# Altium PCB ZUM_Core_2.0.PcbDoc (part 2 of 2) (continued)
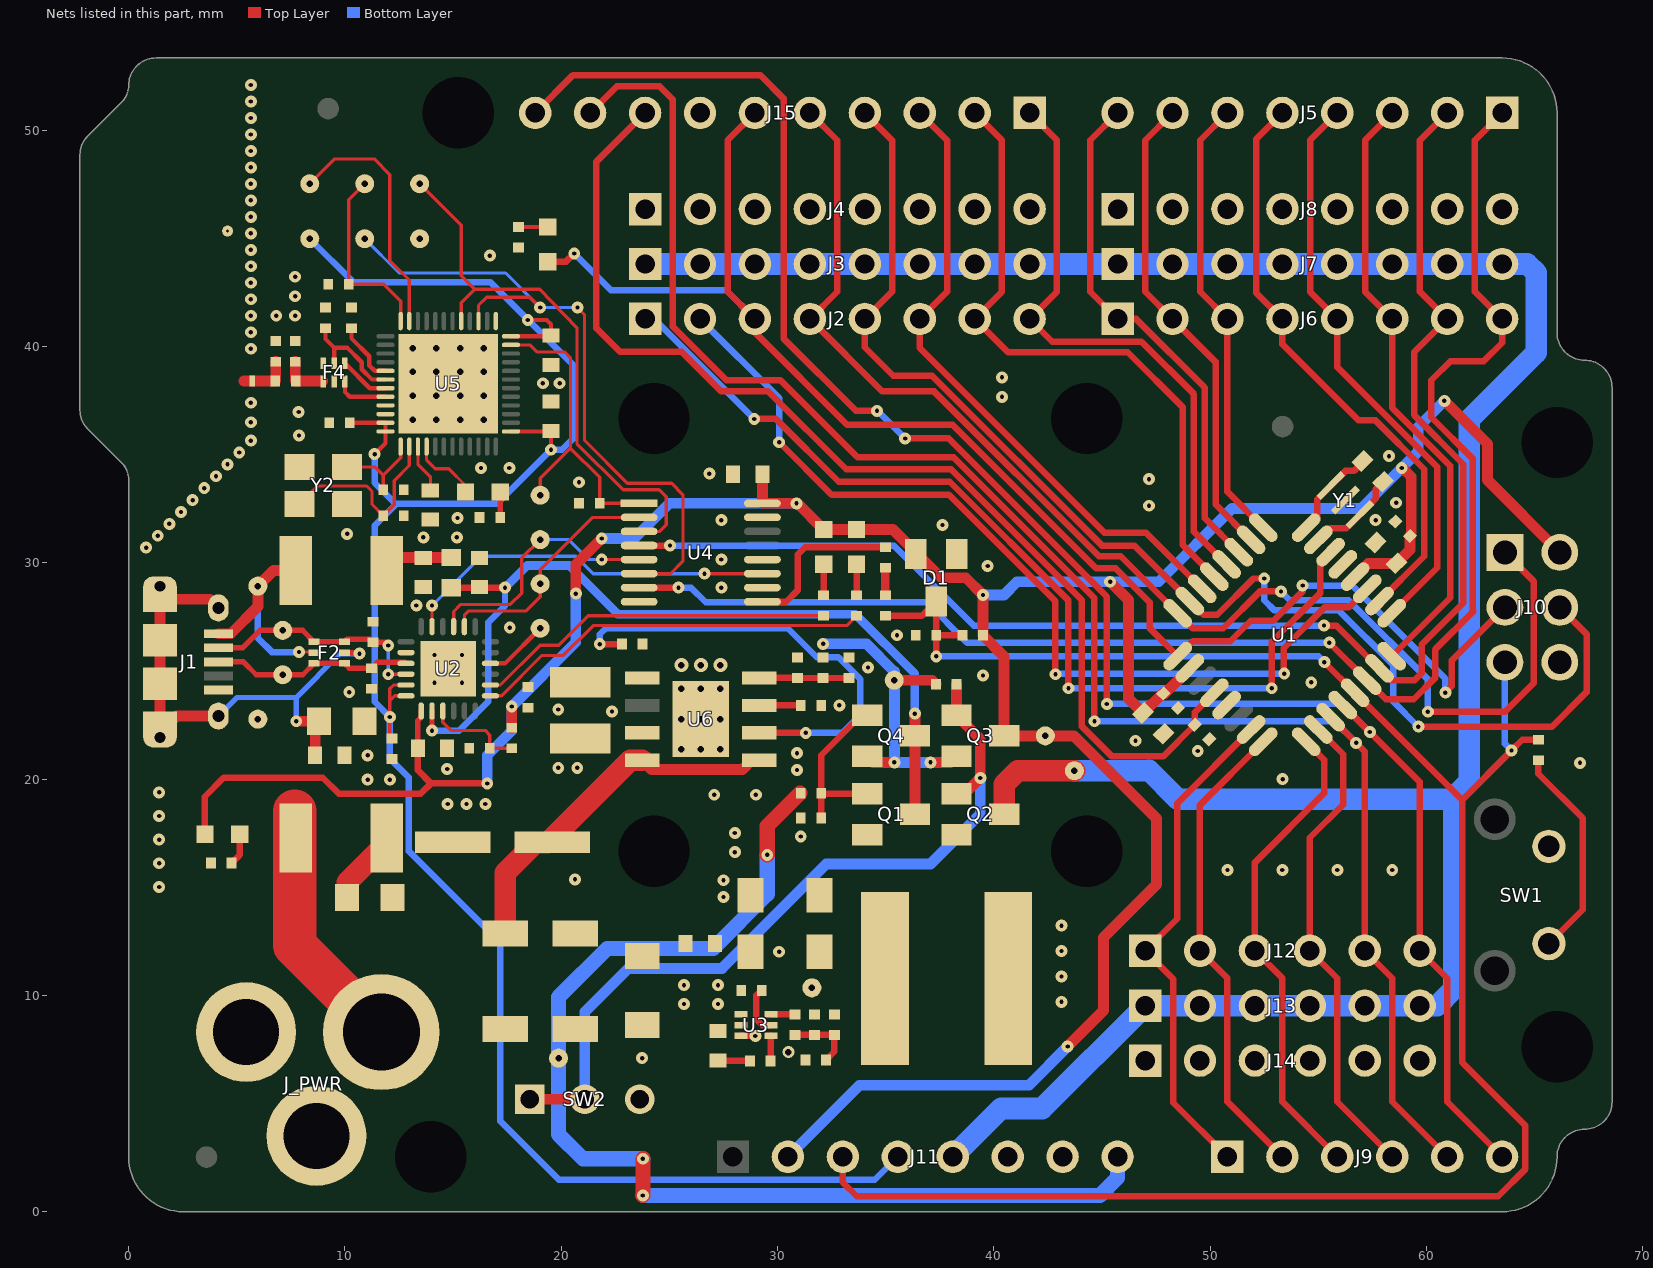
[diagram p2: the nets of this part, all layers, seen from the top]
## Nets (pads, with @x,y where several pads share a name; then routed paths per layer and width w, separated by ;. In a path a pad name is that pad's centre, name@x,y a point inside that pad or via, vN(x,y) a via of type N, cw(c..) or ccw(c..) an arc to the next point about the centre after c; other vN are vias at no path point)
3V3@100mA: C6.2 C21.2 C22.2 C23.2 J11.4 U2.5 U2.6 U5.1 U5.12 U5.35 U5.36 VCC.1 | length 95
  Top Layer w0.15: C6.2@12.175,21.875 12.075,21.975 v1(12.075,22.875) 12.075,23.625 ; U2.6@12.825,23.85 12.3,23.85 12.075,23.625 ; U2.5@12.825,24.35 12.25,24.35 12.075,24.175 12.075,23.625
  Top Layer w0.2: C23.2@10.225,36.475 U5.35@11.875,36.475 U5.36@11.875,36.075 11.875,35.525 v1(11.375,35.025) ; U5.1@17.675,36.075 19.525,36.075 v1(19.525,35.225) ; U5.12@17.675,40.475 19.5,40.475 C21.2@19.525,40.5 19.525,41.025 19.325,41.225 v1(18.45,41.225)
  Bottom Layer w0.3: VCC.1@8.375,44.985 10.38,42.98 16.72,42.98 20.575,39.125 20.575,35.775 20.025,35.225 v1(19.525,35.225) 17.04,32.74 12.33,32.74 ; v1(11.375,35.025) 11.375,33.695 12.33,32.74 ; J11.4@35.56,2.54 34.495,1.475 19.896,1.475 17.18,4.191 17.18,12.445 12.95,16.675 12.95,20.077 12.075,20.952 v1(12.075,22.875) 11.375,23.575 11.375,31.725 12.36,32.71 12.33,32.74
5V@3A: C27.2 C28.2 C34.2 L3.2 Q1.2 Q2.2 R9.1 TP8.1
5V@300mA: C29.1 C30.1 C33.2 Q3.2 Q4.2 R11.1 R14.1 R24.2 TP9.1 U6.1 | length 14.4
  Top Layer w0.5: Q4.2@34.15,21.05 34.425,20.775 v1(35.4,20.775) ; TP9.1@35.395,24.575 37.14,24.575 R14.1@37.325,24.39 ; v1(37.075,20.775) 38,20.775 Q3.2@38.275,21.05
  Bottom Layer w0.5: v1(32.106,26.255) 34.113,26.255 35.4,24.968 v1(35.4,20.775) v1(37.075,20.775) v1@37.075,20.755
+5V_USB: C8.2 L1.2 Q1.3 Q4.3 U2.8 | length 40.1
  Top Layer w0.25: v1(14.025,22.24) U2.8@14.025,23.15
  Top Layer w0.3: L1.2@14.925,28.85 v1(17.4,28.85)
  Top Layer w0.5: Q1.3@36.35,18.375 Q4.3@36.35,22 v1(36.35,23.025)
  Bottom Layer w0.3: v1(14.025,22.24) 15.274,22.24 16.635,23.602 16.635,27.251 17.4,28.016 v1(17.4,28.85)
  Bottom Layer w0.4: v1(17.4,28.85) 18.425,29.875 20.375,29.875 22.625,27.625 33.592,27.625 36.35,24.867 v1(36.35,23.025)
A0: J9.1 J12.1 U1.23 | length 23.4
  Top Layer w0.3: J9.1@50.8,2.54 48.3,5.04 48.3,10.755 J12.1@46.99,12.065 48.475,13.55 48.475,18.875 U1.23@51.892,22.292
A1: J9.2 J12.2 U1.24 | length 22
  Top Layer w0.3: U1.24@52.458,21.726 49.53,18.798 J12.2@49.53,12.065 50.8,10.795 50.8,5.08 J9.2@53.34,2.54
A2: J9.3 J12.3 U1.25 | length 22.4
  Top Layer w0.3: U1.25@54.438,21.726 55.266,20.899 55.266,19.341 52.07,16.145 J12.3@52.07,12.065 53.34,10.795 53.34,5.08 J9.3@55.88,2.54
A3: J9.4 J12.4 U1.26 | length 22.4
  Top Layer w0.3: U1.26@55.004,22.292 56.15,21.146 56.15,18.825 54.61,17.285 J12.4@54.61,12.065 55.88,10.795 55.88,5.08 J9.4@58.42,2.54
A4: J9.5 J12.5 J15.9 U1.27 | length 80.5
  Top Layer w0.3: J15.9@21.336,50.8 22.561,52.025 24.55,52.025 25.15,51.425 25.15,40.925 27.625,38.45 30.125,38.45 33.7,34.875 38.137,34.875 44.65,28.362 v1@44.65,22.7 ; U1.27@55.569,22.858 v1(56.75,21.677) 57.15,21.277 J12.5@57.15,12.065 58.42,10.795 58.42,5.08 J9.5@60.96,2.54
  Bottom Layer w0.3: v1@44.675,22.675 55.752,22.675 v1(56.75,21.677)
  other v1: 44.65,22.675
A5: J9.6 J12.6 J15.10 U1.28 | length 85.2
  Top Layer w0.3: J15.10@18.796,50.8 20.546,52.55 29.2,52.55 30.28,51.47 30.28,40.37 33.625,37.025 v1(34.6,37.025) ; v1(35.9,35.75) 37.913,35.75 45.225,28.438 v1(45.225,23.475) ; U1.28@56.135,23.423 v1(57.383,22.175) 59.69,19.868 J12.6@59.69,12.065 60.96,10.795 60.96,5.08 J9.6@63.5,2.54
  Bottom Layer w0.3: v1@34.625,37.025 v1(35.9,35.75) ; v1(45.225,23.475) 56.083,23.475 v1(57.383,22.175)
AREF: C5.2 J15.8 U1.20 | length 52.6
  Top Layer w0.3: J15.8@23.876,50.8 21.625,48.549 21.625,40.85 22.725,39.75 25.575,39.75 27.4,37.925 29.575,37.925 33.175,34.325 38.023,34.325 44.075,28.273 44.075,22.437 45.462,21.05 47.828,21.05 C5.2@49.289,22.511 49.289,23.083 U1.20@50.195,23.989
BT_RX: P0.11.1 U4.3 U5.17 | length 26.3
  Top Layer w0.15: P0.11.1@13.455,47.525 15.375,45.605 15.375,43.275 16,42.65 ; U5.17@15.375,41.175 15.375,42.025 16,42.65 ; U4.3@23.6,31.45 24.55,31.45 24.85,31.75 24.85,33.05 24.525,33.375 22.863,33.375 20.725,35.513 20.725,40.875 19.003,42.65 16,42.65
BT_SWDCLK: R26.2 SWDCLK.1 U5.24 | length 8.6
  Top Layer w0.15: SWDCLK.1@10.915,47.525 10.175,46.785 R26.2@10.175,42.875 11.8,42.875 12.575,42.1 U5.24@12.575,41.175
BT_SWDIO: SWDIO.1 U5.23 | length 11.6
  Top Layer w0.15: SWDIO.1@8.375,47.525 9.525,48.675 11.35,48.675 12.075,47.95 12.075,43.975 12.975,43.075 U5.23@12.975,41.175
BT_TX: P0.09.1 U4.6 U5.15 | length 32.3
  Top Layer w0.15: U5.15@16.175,41.175 16.175,41.9 16.55,42.275 18.55,42.275 v1(19.025,41.8) ; v1(20.75,41.8) 21.075,41.475 21.075,35.658 23.058,33.675 25.1,33.675 25.625,33.15 25.625,30.075 25.05,29.5 U4.6@23.6,29.5
  Bottom Layer w0.15: P0.09.1@10.915,44.985 12.5,43.4 17.425,43.4 v1(19.025,41.8) v1(20.75,41.8)
D0: J5.1 J6.8 U1.30 U4.7 | length 70.3
  Top Layer w0.3: U4.7@23.6,28.85 v1(25.425,28.85) ; v1(55.511,26.311) U1.30@57.266,24.555 58.128,23.693 59.418,23.693 60.4,24.675 60.4,25.992 62.158,27.75 62.15,27.758 62.15,34.8 60.225,36.725 60.225,38.435 61.11,39.32 62.64,39.32 63.5,40.18 J6.8@63.5,41.275 62.24,42.535 62.24,49.54 J5.1@63.5,50.8
  Bottom Layer w0.3: v1(25.425,28.85) 26,28.85 26.675,28.175 36.9,28.175 38.764,26.311 v1(55.511,26.311)
D1: J5.2 J6.7 U1.31 U4.4 | length 68.2
  Top Layer w0.3: U4.4@23.6,30.8 v1(25.025,30.8) ; v1(55.264,27.1) 55.825,27.1 58.353,24.572 59.449,24.572 59.775,24.899 59.775,26.215 61.7,28.14 61.7,34.56 59.425,36.835 59.425,39.74 J6.7@60.96,41.275 59.7,42.535 59.7,49.54 J5.2@60.96,50.8
  Bottom Layer w0.3: v1(25.025,30.8) 35.375,30.8 39.075,27.1 v1(55.264,27.1)
D2: J5.3 J6.6 U1.32 | length 28.4
  Top Layer w0.3: U1.32@58.398,25.686 61.1,28.389 61.1,34.48 58.42,37.16 J6.6@58.42,41.275 57.16,42.535 57.16,49.54 J5.3@58.42,50.8
D3: J5.4 J6.5 U1.1 | length 27
  Top Layer w0.3: J5.4@55.88,50.8 54.62,49.54 54.62,42.535 J6.5@55.88,41.275 55.88,39.05 60.5,34.43 60.5,29.768 U1.1@58.398,27.666
D4: J5.5 J6.4 U1.2 | length 27.6
  Top Layer w0.3: J5.5@53.34,50.8 52.125,49.585 52.125,42.49 J6.4@53.34,41.275 53.34,40.11 56.87,36.58 57.65,36.58 59.9,34.33 59.9,30.3 U1.2@57.832,28.232
D5: J5.6 J6.3 U1.9 | length 20.9
  Top Layer w0.3: J5.6@50.8,50.8 49.54,49.54 49.54,42.535 J6.3@50.8,41.275 50.8,33.284 U1.9@52.458,31.626
D6: J5.7 J6.2 U1.10 | length 22.3
  Top Layer w0.3: J5.7@48.26,50.8 47,49.54 47,42.535 J6.2@48.26,41.275 50.25,39.285 50.25,32.702 U1.10@51.892,31.06
D7: J5.8 J6.1 U1.11 | length 24.2
  Top Layer w0.3: J5.8@45.72,50.8 44.46,49.54 44.46,42.535 J6.1@45.72,41.275 46.575,41.275 49.75,38.1 49.75,32.071 U1.11@51.327,30.495
D8: J2.8 J15.1 U1.12 | length 28.1
  Top Layer w0.3: J15.1@41.656,50.8 42.916,49.54 42.916,42.535 J2.8@41.656,41.275 42.706,40.225 46.825,40.225 49.25,37.8 49.25,31.44 U1.12@50.761,29.929
D9: J2.7 J15.2 U1.13 | length 30.3
  Top Layer w0.3: J15.2@39.116,50.8 40.376,49.54 40.376,42.535 J2.7@39.116,41.275 40.656,39.735 46.19,39.735 48.725,37.2 48.725,30.833 U1.13@50.195,29.363
D10: J2.6 J15.3 U1.14 | length 29.6
  Top Layer w0.3: J15.3@36.576,50.8 37.836,49.54 37.836,42.535 J2.6@36.576,41.275 36.576,39.934 45.11,31.4 47.027,31.4 U1.14@49.63,28.797
D11: J2.5 J10.4 J15.4 U1.15 | length 60.6
  Top Layer w0.3: J15.4@34.036,50.8 35.296,49.54 35.296,42.535 J2.5@34.036,41.275 34.036,39.964 35.35,38.65 37.146,38.65 44.995,30.8 46.496,30.8 U1.15@49.064,28.232 49.696,27.6 50.325,27.6 52,29.275 v1(52.5,29.275) ; v1(59.625,22.425) 65.8,22.425 67.4,24.025 67.4,26.707 J10.4@66.167,27.94
  Bottom Layer w0.3: v1(52.5,29.275) 52.5,28.275 52.975,27.8 55.95,27.8 58.475,25.275 58.475,23.575 v1(59.625,22.425)
D12: J2.4 J10.1 J15.5 U1.16 | length 61
  Top Layer w0.3: J15.5@31.496,50.8 32.756,49.54 32.756,42.535 J2.4@31.496,41.275 34.846,37.925 37.234,37.925 44.859,30.3 45.864,30.3 U1.16@48.498,27.666 49.189,26.975 50.6,26.975 52.3,28.675 v1(53.275,28.675) ; v1(60.066,23.116) 63.633,23.116 64.95,24.433 64.95,29.157 J10.1@63.627,30.48
  Bottom Layer w0.3: v1(53.275,28.675) 53.675,28.275 56.4,28.275 60.066,24.609 v1(60.066,23.116)
D13: D4.A J2.3 J10.3 J15.6 U1.17 | length 70
  Top Layer w0.3: D4.A@19.375,43.925 20.225,43.925 v1(20.6,44.3) ; J15.6@28.956,50.8 27.7,49.544 27.7,42.531 J2.3@28.956,41.275 28.956,40.644 33.225,36.375 38.102,36.375 44.727,29.75 45.625,29.75 47.2,28.175 47.2,26.984 U1.17@48.498,25.686 49.187,26.375 50.925,26.375 51.875,27.325 52.925,27.325 54.275,28.675 v1(54.275,28.95) ; v1(60.875,24) 61.175,24.3 61.175,25.488 J10.3@63.627,27.94
  Bottom Layer w0.3: v1(20.6,44.3) 22.3,42.6 27.631,42.6 J2.3@28.956,41.275 ; v1(54.275,28.95) 56.575,28.95 60.875,24.65 v1(60.875,24)
D22: J2.2 U1.3 | length 43.1
  Top Layer w0.3: v1(30.075,35.575) 32.5,33.15 37.925,33.15 42.85,28.225 v1(42.85,24.85) ; v1@53.4,24.9 53.4,26.05 55.306,27.956 55.782,27.956 55.788,27.95 56.419,27.95 U1.3@57.266,28.797
  Bottom Layer w0.3: J2.2@26.416,41.275 30.075,37.616 v1(30.075,35.575) ; v1@42.875,24.875 v1(53.425,24.875)
D23: J2.1 U1.6 | length 45.8
  Top Layer w0.3: v1(28.925,36.65) 29.925,36.65 32.825,33.75 37.962,33.75 43.45,28.262 v1(43.45,24.2) ; v1(52.85,24.2) 52.85,26.35 55.1,28.6 55.1,30.025 U1.6@55.569,30.495
  Bottom Layer w0.3: J2.1@23.876,41.275 24.3,41.275 v1(28.925,36.65) ; v1(43.45,24.2) v1(52.85,24.2)
GND: AE1.FEED_2 C1.1 C2.1 C3.1 C4.1 C5.1 C6.1 C7.1 C8.1 C9.1 C10.1 C11.1 C12.1 C13.2 C16.1 C17.1 C18.1 C19.1 C20.1 C21.1 C22.1 C23.1 C24.2 C25.2 C26.1 C27.1 C28.1 C30.2 C31.2 C32.1 C33.1 D1.1 F4.2 F4.6 GND.1 J1.5 J4.1 J4.2 J4.3 J4.4 J4.5 J4.6 J4.7 J4.8 J8.1 J8.2 J8.3 J8.4 J8.5 J8.6 J8.7 J8.8 J10.6 J11.6 J11.7 J14.1 J14.2 J14.3 J14.4 J14.5 J14.6 J15.7 J_PWR.2 J_PWR.3 R7.1 R8.1 R16.1 R17.2 R18.1 R19.2 R22.2 R23.2 R25.2 R26.1 SW1.1 SW2.3 TP4.1 U1.5 U1.21 U2.2 U2.25 U3.3 U4.8 U4.10 U4.12 U4.15 U5.13 U5.33 U5.34 U5.49 U6.3 U6.9 Y1.2 Y2.2 Y2.4 Zp1.1 Zp2.1 | length 0.7
  Top Layer w0.3: U3.3@28.3,8.125 v1(28.975,8.125)
  other v1: 23.74,7.1 43.125,9.7 43.125,10.875 30.075,12.019 43.125,12.05 43.125,13.225 27.5,14.55 1.41,15.015 27.5,15.325 20.64,15.365 50.8,15.8 53.34,15.8 55.88,15.8 58.42,15.8 1.41,16.109 28.025,16.625 1.41,17.203 31.075,17.35 28.025,17.508 1.41,18.296 14.75,18.85 15.62,18.85 16.49,18.85 27.075,19.275 29,19.275 1.41,19.39 11.05,19.975 12.075,19.975 53.35,20 30.9,20.425 14.725,20.466 19.86,20.52 20.74,20.52 67.1,20.75 11.05,21.1 30.9,21.2 49.425,21.303 46.55,21.775 22.35,23.13 19.86,23.22 32.86,23.41 10.2,24.02 14.138,24.462 15.413,24.463 54.675,24.475 39.496,24.794 34.18,25.16 14.138,25.737 15.412,25.737 35.527,26.65 17.62,27.002 13.3,28.025 27.4,28.85 39.711,29.849 27.4,30.15 0.808,30.7 13.625,31.175 15.175,31.175 1.346,31.25 10.1,31.34 37.625,31.75 1.884,31.8 27.4,31.975 57.65,31.975 15.2,32.075 2.422,32.35 47.17,32.64 58.6,32.775 2.96,32.9 3.498,33.45 20.825,33.725 47.17,33.87 4.036,34 26.85,34.125 16.29,34.38 17.6,34.38 4.574,34.55 58.27,34.93 5.112,35.1 5.65,35.65 7.88,35.89 5.65,36.498 7.86,36.97 5.65,37.398 40.375,37.675 19.15,38.3 19.925,38.3 40.375,38.575 5.65,39.899 5.65,40.661 5.65,41.423 6.825,41.423 7.7,41.423 5.65,42.185 7.7,42.324 5.65,42.947 7.7,43.225 5.65,43.709 16.7,44.2 5.65,44.471 5.65,45.233 5.65,45.995 5.65,46.757 5.65,47.519 5.65,48.281 5.65,49.043 5.65,49.805 5.65,50.567 5.65,51.329 5.65,52.091
  other v2: 25.553,21.375 26.453,21.375 27.353,21.375 25.553,22.775 26.453,22.775 27.353,22.775 25.553,24.175 26.453,24.175 27.353,24.175 25.553,25.275 26.453,25.275 27.353,25.275 13.125,36.625 14.225,36.625 15.325,36.625 16.425,36.625 13.125,37.725 14.225,37.725 15.325,37.725 16.425,37.725 13.125,38.825 14.225,38.825 15.325,38.825 16.425,38.825 13.125,39.925 14.225,39.925 15.325,39.925 16.425,39.925
  other v3: 30.5,7.375
M\C\U\_\R\E\S\: C14.1 D1.3 J10.5 J11.3 R10.2 R12.2 R19.1 U1.29 | length 94
  Top Layer w0.3: J11.3@33.02,2.54 33.02,1.355 33.66,0.715 63.315,0.715 64.575,1.975 64.575,3.975 61.65,6.9 61.65,19.04 ; C14.1@34.984,27.55 36.676,27.55 D1.3@37.336,28.21 R19.1@37.336,26.714 ; v1(37.336,25.675) R19.1@37.336,26.65 ; R19.1@37.4,26.65 R10.2@38.546,26.65 ; v1(55.281,25.408) U1.29@56.701,23.989 61.65,19.04 ; R12.2@65.175,21.825 64.435,21.825 v1(63.935,21.325) 61.65,19.04
  Bottom Layer w0.3: v1(37.336,25.675) 55.015,25.675 v1(55.281,25.408) ; J10.5@63.627,25.4 63.627,21.633 v1(63.935,21.325)
NetAE1_FEED_1: AE1.FEED_1 Zp2.2 Zs.2 | length 2.4
  Top Layer w0.5: 5.34,38.404 AE1.FEED_1@5.717,38.404 6.771,38.404 Zs.2@6.775,38.4 6.775,38.45 6.8,38.425 Zp2.2@6.8,39.3
NetC7_2: C7.2 F3.2 L1.1 | length 3.4
  Top Layer w0.5: F3.2@11.85,29.525 12.575,30.25 L1.1@14.925,30.25
NetC14_2: C14.2 R20.1 | length 1.3
  Top Layer w0.4: C14.2@34.984,28.5 R20.1@34.984,29.775
NetC15_1: C15.1 L3.1 U3.2
NetC15_2: C15.2 R3.2 | length 1.5
  Top Layer w0.3: C15.2@27.25,6.975 R3.2@28.725,6.975
NetC19_2: C19.2 U5.29 | length 2.9
  Top Layer w0.2: C19.2@10.3,40.85 10.3,40.375 11.125,39.55 11.125,39.125 11.375,38.875 U5.29@11.875,38.875
NetC20_2: C20.2 U5.39 | length 2.3
  Top Layer w0.15: U5.39@13.375,35.375 13.375,34.55 13.95,33.975 C20.2@13.95,33.35
NetC24_1: C24.1 U5.37 Y2.1 | length 4.2
  Top Layer w0.15: Y2.1@10.1,34.425 11.4,34.425 11.775,34.05 ; C24.1@11.775,33.375 11.775,34.05 ; U5.37@12.575,35.375 12.575,34.85 11.775,34.05
NetC25_1: C25.1 U5.38 Y2.3 | length 8.8
  Top Layer w0.15: Y2.3@7.9,32.725 8.725,33.55 11,33.55 11.25,33.3 11.25,32.7 C25.1@11.775,32.175 12.275,32.675 12.275,33.8 12.975,34.5 U5.38@12.975,35.375
NetC29_2: C29.2 R24.1 R25.1 U6.8 | length 4.1
  Top Layer w0.3: U6.8@29.153,24.68 30.92,24.68 C29.2@30.925,24.675 R24.1@32.1,24.675 R25.1@33.3,24.675
NetC31_1: C31.1 D2.K U6.4 U6.5 | length 17.1
  Top Layer w0.5: U6.4@23.753,20.87 24.173,20.45 28.375,20.45 28.795,20.87 U6.5@29.153,20.87
  Top Layer w1: D2.K@17.415,12.855 17.415,15.675 18.8,17.06 19.38,17.06 23.19,20.87 U6.4@23.753,20.87
NetC32_2: C32.2 U6.7 | length 1.9
  Top Layer w0.3: U6.7@29.153,23.41 C32.2@31.075,23.41
NetC34_1: C34.1 R9.2 R13.2 R17.1 | length 3.2
  Top Layer w0.3: R13.2@30.801,8.175 32.628,8.175 C34.1@32.628,8.169 32.628,7.393 R17.1@32.243,7.008
NetD3_K: D3.K R18.2 | length 1.5
  Top Layer w0.3: R18.2@4.753,16.118 5.132,16.497 D3.K@5.132,17.448
NetD4_K: D4.K R8.2 | length 1.3
  Top Layer w0.2: R8.2@18.025,45.525 D4.K@19.375,45.525
NetF1_2: F1.2 L2.1 | length 3.5
  Top Layer w1: L2.1@10.1,14.52 10.1,15.24 11.925,17.065 F1.2@11.925,17.28
NetF4_1: F4.1 Zp1.2 Zs.1 | length 2.2
  Top Layer w0.5: Zp1.2@7.7,39.3 7.7,38.425 Zs.1@7.725,38.4 F4.1@8.974,38.4
NetF4_3: F4.3 U5.32 | length 2.4
  Top Layer w0.2: F4.3@10,38.375 10,37.9 10.225,37.675 U5.32@11.875,37.675
NetF4_4: F4.4 U5.31 | length 2.4
  Top Layer w0.2: F4.4@10,39.225 11.15,38.075 U5.31@11.875,38.075
NetLD4_A: LD4.A U5.40 | length 3.2
  Top Layer w0.15: U5.40@13.775,35.375 13.775,34.75 14.175,34.35 14.8,34.35 15.575,33.575 LD4.A@15.575,33.275
NetLD4_K: LD4.K R23.1 | length 1.2
  Top Layer w0.25: R23.1@17.175,32.1 LD4.K@17.175,33.275
NetQ1_1: Q1.1 Q4.1 R15.1 R16.2 | length 7.9
  Top Layer w0.3: R16.2@32.025,18.2 R15.1@32.025,19.35 ; Q1.1@34.15,19.325 32.05,19.325 R15.1@32.025,19.35 ; Q4.1@34.15,22.95 33.875,22.95 32.025,21.1 R15.1@32.025,19.35
NetQ2_1: Q2.1 Q3.1 R14.2 SW2.1 SW2.2 | length 36.5
  Top Layer w0.5: SW2.1@18.55,5.2 SW2.2@21.09,5.2 ; Q2.1@38.275,19.325 38.65,19.325 v1(39.375,20.05) 39.375,21.85 Q3.1@38.275,22.95 R14.2@38.275,24.39
  Bottom Layer w0.5: SW2.2@21.09,5.2 21.09,9.24 23.1,11.25 27.425,11.25 32.25,16.075 37.065,16.075 39.375,18.385 v1(39.375,20.05)
NetR3_1: R3.1 U3.4 | length 1.2
  Top Layer w0.3: R3.1@29.675,6.975 U3.4@29.675,8.125
NetR4_1: R4.1 U2.14 | length 16.7
  Top Layer w0.15: U2.14@16.725,24.35 17.19,24.35 19.03,26.19 19.89,26.19 21.25,27.55 R4.1@32.13,27.55
NetR4_2: R4.2 TX.K | length 1.4
  Top Layer w0.3: R4.2@32.13,28.5 TX.K@32.13,29.939
NetR5_1: R5.1 U2.13 | length 18.5
  Top Layer w0.15: U2.13@16.725,23.85 17.24,23.85 19.11,25.72 20.09,25.72 21.47,27.1 33.2,27.1 R5.1@33.65,27.55
NetR5_2: R5.2 RX.K | length 1.4
  Top Layer w0.3: R5.2@33.654,28.504 RX.K@33.654,29.939
NetR6_1: R6.1 U3.5 | length 2.2
  Top Layer w0.3: R6.1@29.275,10.25 29.025,10 29.025,8.888 29.288,8.625 U3.5@29.675,8.625
NetR11_2: R11.2 U6.6 | length 21.2
  Top Layer w0.3: v1(21.78,26.24) R11.2@22.805,26.24 ; U6.6@29.153,22.14 v1(31.304,22.14)
  Bottom Layer w0.3: v1(21.78,26.24) 21.78,26.695 ; 21.83,26.74 22.065,26.975 30.475,26.975 31.815,25.635 32.815,25.635 33.825,24.625 33.825,22.975 32.99,22.14 v1(31.304,22.14)
NetR12_1: R12.1 SW1.2 | length 10
  Top Layer w0.3: R12.1@65.175,20.875 65.175,20.25 67.225,18.2 67.225,13.957 SW1.2@65.659,12.391
NetR13_1: R13.1 U3.6 | length 1.1
  Top Layer w0.3: U3.6@29.675,9.125 U3.6@29.7,9.125 R13.1@30.801,9.125
NetR22_1: R22.1 TP5.1 U4.1 U5.11 | length 14.9
  Top Layer w0.15: U5.11@17.675,40.075 18.55,40.075 18.875,39.75 20.15,39.75 20.425,39.475 20.425,35.3 ; TP5.1@19.025,33.125 19.025,33.9 20.425,35.3 ; U4.1@23.6,32.75 R22.1@21.775,32.75 21.775,33.95 20.425,35.3
NetU2_16: U2.16 Vpp.1 | length 3
  Top Layer w0.2: U2.16@16.725,25.35 17.4,25.35 Vpp.1@19.025,26.975
OSC1: R1.1 U1.7 Y1.3 | length 4.4
  Top Layer w0.3: U1.7@55.004,31.06 55.543,31.6 56.294,31.6 Y1.3@56.922,32.228 57.65,32.956 57.65,33.395 R1.1@58.002,33.748
OSC2: R1.2 U1.8 Y1.1 | length 4.4
  Top Layer w0.3: U1.8@54.438,31.626 54.95,32.138 54.95,32.944 Y1.1@55.578,33.572 56.256,34.25 56.65,34.25 R1.2@57.075,34.675
PWR_DCDC: J3.1 J3.2 J3.3 J3.4 J3.5 J3.6 J3.7 J3.8 J7.1 J7.2 J7.3 J7.4 J7.5 J7.6 J7.7 J7.8 J11.5 J13.1 J13.2 J13.3 J13.4 J13.5 J13.6 Q2.3 TP6.1 | length 125.5
  Top Layer w1: Q2.3@40.475,18.375 40.475,19.755 41.1,20.38 TP6.1@43.727,20.38
  Bottom Layer w1: J3.1@23.876,43.815 J3.2@26.416,43.815 J3.3@28.956,43.815 J3.4@31.496,43.815 J3.5@34.036,43.815 J3.6@36.576,43.815 J3.7@39.116,43.815 J3.8@41.656,43.815 J7.1@45.72,43.815 J7.2@48.26,43.815 J7.3@50.8,43.815 J7.4@53.34,43.815 J7.5@55.88,43.815 J7.6@58.42,43.815 J7.7@60.96,43.815 J7.8@63.5,43.815 64.659,43.815 65.072,43.402 65.072,39.722 61.977,36.627 61.977,19.877 61.275,19.175 ; J11.5@38.1,2.54 40.335,4.775 42.24,4.775 J13.1@46.99,9.525 J13.2@49.53,9.525 J13.3@52.07,9.525 J13.4@54.61,9.525 J13.5@57.15,9.525 J13.6@59.69,9.525 60.5,9.525 61.275,10.3 61.275,19.175 ; TP6.1@43.727,20.38 47.157,20.38 47.176,20.399 48.5,19.075 61.175,19.075 61.275,19.175
PWR_LDO: C1.2 C2.2 C3.2 C4.2 C10.2 C17.2 D1.2 D3.A J10.2 J11.2 Q3.3 R2.2 R10.1 RX.A TP7.1 TX.A U1.4 U1.18 U2.7 U4.16 | length 151.3
  Top Layer w0.25: C10.2@13.375,21.43 13.375,22.704 13.525,22.854 U2.7@13.525,23.15
  Top Layer w0.3: D3.A@3.52,17.463 3.52,19.19 4.39,20.06 8.98,20.06 9.71,19.33 13.51,19.33 13.98,19.8 ; C10.2@13.375,21.43 13.375,20.405 13.98,19.8 ; v1(16.58,19.8) 13.98,19.8
  Top Layer w0.5: R2.2@17.71,22.358 R2.2@17.71,22.38 v1(17.71,23.36) ; v1(20.675,28.575) 20.675,29.925 v1(21.875,31.125) ; C17.2@29.3,34.1 U4.16@29.3,32.75 v1(30.875,32.75) ; v1@30.919,32.75 TX.A@32.13,31.539 RX.A@33.654,31.539 35.339,31.539 37.568,29.31 38.703,29.31 v1(39.496,28.516) R10.1@39.496,26.65 40.475,25.671 Q3.3@40.475,22 TP7.1@42.38,22 43.7,22 47.525,18.175 47.525,15.125 45.075,12.675 45.075,9.3 v1(43.411,7.636) ; v1(45.375,29.125) 46.225,28.275 46.225,23.725 C1.2@46.898,23.052 47.806,23.961 C3.2@47.839,23.961 47.904,23.961 U1.18@49.064,25.121 ; U1.4@56.701,29.363 57.312,29.975 58.604,29.975 C2.2@58.609,29.981 59.236,30.607 C4.2@59.236,31.239 59.3,31.303 59.3,33.975 v1@58.895,34.38 ; v1@60.835,37.49 62.825,35.5 62.825,33.822 J10.2@66.167,30.48
  Bottom Layer w0.5: v1(16.58,19.8) 16.58,21.105 17.71,22.235 v1(17.71,23.36) 20.675,26.325 v1(20.675,28.575) ; v1(21.875,31.125) 23.375,31.125 25,32.75 v1(30.875,32.75) ; J11.2@30.48,2.54 33.79,5.85 41.625,5.85 v1(43.411,7.636) ; v1(39.496,28.516) 40.466,28.516 41.075,29.125 v1(45.375,29.125) 47.628,29.125 51.013,32.51 56.99,32.51 v1@58.895,34.415 ; v1(58.86,34.38) 59.62,35.14 59.62,36.28 v1(60.83,37.49)
USB_D\T\R\: U2.23 U4.11 | length 17.5
  Top Layer w0.15: U2.23@14.025,27.05 v1(14.025,28.025) ; v1(26.625,29.5) U4.11@29.3,29.5
  Bottom Layer w0.15: v1(14.025,28.025) 16.3,30.3 20.675,30.3 21.475,29.5 v1(26.625,29.5)
USB_D_N: C11.2 F2.3 F2.4 J1.2 TP2.1 U2.4 | length 10.7
  Top Layer w0.15: v1(12,24.85) U2.4@12.825,24.85
  Top Layer w0.25: J1.2@4.15,26.067 5.267,26.067 6.075,26.875 TP2.1@7.125,26.875 8.05,26.875 F2.4@8.575,26.35 F2.3@9.975,26.35 10.1,26.475 11.15,26.475 C11.2@11.3,26.325 11.85,26.325 v1(12,26.175)
  Bottom Layer w0.15: v1(12,24.85) v1(12,26.175)
USB_D_P: C12.2 F2.1 F2.6 J1.3 TP3.1 U2.3 | length 9.4
  Top Layer w0.25: J1.3@4.15,25.417 5.308,25.417 5.9,24.825 TP3.1@7.125,24.825 8.05,24.825 F2.6@8.575,25.35 F2.1@9.975,25.35 10.2,25.125 C12.2@11.225,25.125 11.5,25.4 12.775,25.4 U2.3@12.825,25.35
USB_R\E\S\E\T\: C9.2 R2.1 U2.9 | length 4.6
  Top Layer w0.15: U2.9@14.525,23.15 14.525,22.625 14.9,22.25 16.485,22.25 16.7,22.035 C9.2@16.7,21.43 R2.1@17.71,21.43
USB_RESET: R20.2 U4.9 | length 7.7
  Top Layer w0.3: U4.9@29.3,28.2 30.4,28.2 30.925,28.725 30.925,30.375 31.275,30.725 R20.2@34.984,30.725
USB_RX: U2.20 U4.2 USB_RX.1 | length 11.2
  Top Layer w0.15: U2.20@15.525,27.05 15.525,27.575 15.725,27.775 18.375,27.775 19.025,28.425 USB_RX.1@19.025,29.025 19.025,29.675 21.45,32.1 U4.2@23.6,32.1
USB_SHIELD: C13.1 F2.2 J1.S1 J1.S2 J1.S3 J1.S4 J1.S5 J1.S6 R7.2 | length 24.4
  Top Layer w0.25: F2.2@9.975,25.85 10.625,25.85 v1(10.675,25.8)
  Top Layer w0.5: J1.S4@1.45,21.917 J1.S4@1.45,22.517 ; J1.S6@4.15,22.917 2.217,22.917 2.025,22.725 1.658,22.725 J1.S4@1.45,22.517 ; J1.S5@4.15,27.917 3.75,28.317 J1.S1@1.45,28.317 J1.S2@1.45,26.417 J1.S3@1.45,24.417 J1.S4@1.45,22.517 ; v1(7.75,22.675) C13.1@8.8,22.675 8.625,22.5 R7.2@8.625,21.1
  Bottom Layer w0.25: J1.S6@4.15,22.917 5.008,23.775 7.75,23.775 ; v1(7.75,22.675) 7.75,23.775 ; v1(10.675,25.8) 9.775,25.8 7.75,23.775
USB_TX: U2.21 U4.5 USB_TX.1 | length 12
  Top Layer w0.15: U2.21@15.025,27.05 15.025,27.75 15.35,28.075 17.65,28.075 18.175,28.6 18.175,30.225 USB_TX.1@19.025,31.075 ; v1(21.875,30.15) U4.5@23.6,30.15
  Bottom Layer w0.15: USB_TX.1@19.025,31.075 20.35,31.075 21.275,30.15 v1(21.875,30.15)
VDC: D2.A D6.A J11.8 L2.2 R15.2 VDC.1 | length 52.6
  Top Layer w0.7: v1(23.775,0.75) v1(23.775,2.45) ; v1(29.525,16.5) 29.525,17.832 R15.2@31.043,19.35
  Bottom Layer w0.7: v1(23.775,0.75) 44.9,0.75 45.72,1.57 J11.8@45.72,2.54 ; v1(23.775,2.45) 21,2.45 19.875,3.575 VDC.1@19.875,7.1 19.875,9.925 22.125,12.175 27.025,12.175 29.525,14.675 v1(29.525,16.5)
VDD_PA: C18.2 F4.5 U5.30 | length 5
  Top Layer w0.2: C18.2@9.1,40.85 9.1,40.35 9.5,39.95 ; F4.5@9.5,39.225 9.5,39.95 ; U5.30@11.875,38.475 11.25,38.475 10.775,38.95 10.775,39.275 10.1,39.95 9.5,39.95
Vin_DCDC: C16.2 C26.2 D6.K R6.2 U3.1
  other v1: 25.675,9.6 27.25,9.6 25.675,10.475 27.25,10.475
Vjack: F1.1 J_PWR.1 | length 11.9
  Top Layer w2: F1.1@7.68,18.53 7.68,12.31 J_PWR.1@11.684,8.306
VUSB: F2.5 F3.1 J1.1 TP1.1 | length 10.6
  Top Layer w0.15: v1(7.875,25.876) F2.5@8.575,25.876
  Top Layer w0.5: J1.1@4.15,26.717 4.717,26.717 5.975,27.975 TP1.1@5.975,28.925 6.7,29.65 F3.1@7.725,29.65
  Bottom Layer w0.3: TP1.1@5.975,28.925 5.975,26.525 6.624,25.876 v1(7.875,25.876)
pads on no net: FD1. FD2. FD3. J1.4 J11.1 SW1.3 SW1.4 U1.19 U1.22 U2.1 U2.10 U2.11 U2.12 U2.15 U2.17 U2.18 U2.19 U2.22 U2.24 U4.13 U4.14 U5.2 U5.3 U5.4 U5.5 U5.6 U5.7 U5.8 U5.9 U5.10 U5.14 U5.16 U5.18 U5.19 U5.20 U5.21 U5.22 U5.25 U5.26 U5.27 U5.28 U5.41 U5.42 U5.43 U5.44 U5.45 U5.46 U5.47 U5.48 U6.2

## Polygon pours and split planes (outlines as drawn)
GND on Top Layer "Top Layer-GND" (solid, remove dead copper, pour order 44): 5.3,38.875 5.3,35.9 0,30.6 0,0 64.6,0 68.58,3.98 68.58,38.71 66.04,41.25 66.04,51.935 64.635,53.34 5.3,53.34
5V@300mA on Top Layer "5V@300mA" (solid, pour order 42): 32.6,26.91 cw(c32.6,26.721) 32.79,26.721 32.79,25.22 cw(c32.603,25.22) 32.603,25.034 30.419,25.034 cw(c30.419,25.289) 30.164,25.289 ccw(c29.703,25.289) 29.703,25.75 25.209,25.75 ccw(c25.209,25.448) 24.907,25.448 24.907,24.489 cw(c24.408,24.489) 24.408,23.99 22.33,23.99 ccw(c22.33,23.89) 22.23,23.89 cw(c22.13,23.89) 22.13,23.79 18.141,23.79 cw(c18.141,23.981) 17.95,23.981 cw(c19.208,24.031) 19.158,25.289 22.14,25.31 ccw(c22.14,26.396) 22.908,25.628 22.99,25.71 ccw(c22.99,25.9) 23.18,25.9 23.18,26.58 cw(c23.51,26.58) 23.51,26.91
NetC15_1 on Top Layer "NetC15_1" (solid, pour order 36): 28.625,8.825 cw(c28.625,8.775) 28.675,8.775 28.675,8.475 cw(c28.625,8.475) 28.625,8.425 27.875,8.425 ccw(c27.875,8.35) 27.8,8.35 27.8,7.775 cw(c27.575,7.775) 27.575,7.55 26.8,7.55 ccw(c26.8,7.375) 26.625,7.375 26.625,6.625 ccw(c26.875,6.625) 26.875,6.375 38.9,6.375 ccw(c38.9,6.825) 39.35,6.825 39.35,14.925 cw(c39.65,14.925) 39.65,15.225 41.75,15.225 cw(c41.75,14.875) 42.1,14.875 42.1,4.625 cw(c41.325,4.625) 41.325,3.85 25.6,3.85 cw(c25.6,4.475) 24.975,4.475 24.975,8.175 cw(c25.625,8.175) 25.625,8.825
Vjack on Top Layer "Vjack" (solid, pour order 38): 15.2,15.975
VDC on Top Layer "VDC" (solid, pour order 39): 12.9,15.295 11.711,15.301 ccw(c11.711,14.88) 11.29,14.88 11.29,13.289 ccw(c12.597,13.342) 11.711,12.38 14.812,9.868 cw(c13.334,8.389) 15.425,8.389 15.425,7.267 ccw(c16.217,7.267) 16.217,6.475 21.533,6.475 ccw(c21.533,7.267) 22.325,7.267 22.325,9.2 ccw(c21.65,9.2) 21.65,9.875 18.41,9.875 16.3,11.985 cw(c17.604,13.289) 15.76,13.289 15.76,14.57 ccw(c15.03,14.57) 15.03,15.3
Vin_DCDC on Top Layer "Vin_DCDC" (solid, pour order 37): 26.625,10.95 cw(c26.625,11.2) 26.375,11.2 26.375,13.05 ccw(c26.175,13.05) 26.175,13.25 23.764,13.25 cw(c23.764,14.189) 23.1,13.525 22.64,13.985 ccw(c22,13.345) 22,14.25 19.8,14.25 ccw(c19.8,13.75) 19.3,13.75 19.3,11.825 ccw(c19.775,11.825) 19.775,11.35 22.275,11.35 cw(c22.275,11) 22.625,11 22.625,10.7 ccw(c23.2,10.7) 23.2,10.125 24.525,10.125 cw(c24.525,9.775) 24.875,9.775 24.875,9.363 ccw(c25.313,9.363) 25.313,8.925 28.489,8.925 ccw(c28.489,9.105) 28.669,9.105 28.669,10.796 ccw(c28.515,10.796) 28.515,10.95
5V@3A on Top Layer "5V@3A" (solid, pour order 43): 38.725,18.325 cw(c38.725,17.925) 39.125,17.925 39.125,16.375 cw(c37.725,16.375) 37.725,14.975 37.7,14.975 ccw(c37.7,13.75) 36.475,13.75 36.475,6.95 cw(c36,6.95) 36,6.475 33.525,6.475 cw(c33.525,6.75) 33.25,6.75 33.25,8.325 ccw(c32.9,8.325) 32.9,8.675 31.775,8.675 cw(c31.775,8.95) 31.5,8.95 31.5,9.625 ccw(c31.125,9.625) 31.125,10 cw(c31.125,10.375) 30.75,10.375 30.75,15.875 cw(c31.45,15.875) 31.45,16.575 32.05,16.575 ccw(c32.05,17.125) 32.6,17.125 32.6,17.7 cw(c33.225,17.7) 33.225,18.325
GND on Bottom Layer "Bottom Layer-GND" (solid, remove dead copper, pour order 45): 0,0 64.625,0 68.58,3.955 68.58,38.66 66.04,41.2 66.04,51.86 64.56,53.34 3.775,53.34 3.775,38.875 5.275,38.875 5.275,35.875 0,30.6

## Keep-outs
Keep-Out Layer:
  circle w0.1: c13.97,2.54 r2.65
  circle w0.1: c66.04,7.62 r2.65
  circle w0.1: c66.04,35.56 r2.65
  circle w0.1: c15.24,50.8 r2.65
  circle w0.1: c24.29,16.67 r2.65
  circle w0.1: c44.29,16.67 r2.65
  circle w0.1: c44.29,36.67 r2.65
  circle w0.1: c24.29,36.67 r2.65

## Other copper
Top Layer:
  rectangle net NetAE1_FEED_1: -1.522,43.865 1.91,44.373
Bottom Layer:
  region: 15.24,50.8

## Silkscreen, mask and mechanical layers (free items; w line width, h text height)
Top Overlay:
  drawing of 245 lines, arcs and shapes, not listed
  text "G" at 25.88,48.108 h2
  text "13" at 28.067,48.108 h2
  text "10" at 35.687,48.106 h2
  text "8" at 41.275,48.108 h2
  text "6" at 47.879,48.108 h2
  text "5" at 50.419,48.108 h2
  text "3" at 55.499,48.108 h2
  text "0" at 63.119,48.106 h2
  text "AR" at 22.733,48.094 h2
  text "12" at 30.607,48.094 h2
  text "11" at 33.143,48.094 h2
  text "9" at 38.735,48.094 h2
  text "7" at 45.43,48.094 h2
  text "4" at 52.959,48.094 h2
  text "2" at 58.039,48.094 h2
  text "1" at 60.579,48.094 h2
  text "SCL" at 18.25,47.194 h1.4 r50
  text "SDA" at 20.525,47.066 h1.4 r50
  text "G" at 21.288,45.72 h2
  text "V" at 21.232,43.18 h2
  text "D13" at 18.55,42.46 h1.2
  text "S" at 21.307,40.64 h2
  text "23" at 22.987,38.572 h2
  text "13" at 28.067,38.583 h2
  text "10" at 35.687,38.581 h2
  text "8" at 41.275,38.583 h2
  text "6" at 47.879,38.583 h2
  text "5" at 50.419,38.583 h2
  text "3" at 55.499,38.583 h2
  text "0" at 63.119,38.581 h2
  text "12" at 30.607,38.569 h2
  text "11" at 33.143,38.569 h2
  text "9" at 38.735,38.569 h2
  text "7" at 45.43,38.569 h2
  text "4" at 52.959,38.569 h2
  text "2" at 58.039,38.569 h2
  text "1" at 60.579,38.569 h2
  text "22" at 25.403,38.322 h2
  text "ICSP" at 63.312,32.022 h2
  text "1" at 41.409,28.869 h5.02
  text "PWR" at 2.813,18.646 h1.8
  text "PWR" at 2.813,18.646 h1.8
  text "Zum Core 2.0" at 49.416,16.723 h2.18
  text "A0" at 45.974,13.716 h2
  text "A1" at 48.514,13.716 h2
  text "A2" at 50.927,13.716 h2
  text "A3" at 53.467,13.716 h2
  text "A4" at 56.134,13.717 h2
  text "A5" at 58.555,13.716 h2
  text "RESET" at 63.135,12.63 h1.8 r90
  text "S" at 44.319,11.43 h2
  text "V" at 44.244,8.89 h2
  text "G" at 44.3,6.35 h2
  text "IOREF" at 28.148,4.16 h1.6
  text "RST" at 32.08,4.16 h1.6
  text "3V3" at 34.797,4.16 h1.6
  text "5V" at 37.654,4.16 h1.6
  text "GND" at 40.775,4.16 h1.6
  text "A0" at 50.019,4.169 h1.8
  text "A1" at 52.573,4.16 h1.8
  text "A2" at 55.111,4.16 h1.8
  text "A3" at 57.648,4.169 h1.8
  text "A4" at 60.174,4.169 h1.8
  text "A5" at 62.742,4.169 h1.8
  text "VIN" at 44.65,4.147 h1.6
Bottom Overlay:
  drawing of 30701 lines, arcs and shapes, not listed
  text "TX" at 62.1,48 h2
  text "TX" at 62.1,48 h2
  text "RX" at 64.5,48 h2
  text "RX" at 64.5,48 h2
  text "in Spain - bq.com" at 50.339,38.191 h2.2 r90
  text "Designed & Assembled" at 48.231,38.165 h2.2 r90
  text "bitbloq.bq.com" at 52.498,38.165 h2.2 r90
  text "5" at 58.85,32.7 h6 r90
  text "6" at 59.35,30.75 h7 r90
  text "1" at 40.35,8.22 h5.02
  text "15V" at 0.92,8.11 h1.8 r270
  text "-" at 1,7.43 h1.8 r270
  text "Rev.1.I" at 40.5,6.61 h1.4
  text "6V" at 0.92,5.43 h1.8 r270
  text "OFF/ON" at 24.341,0.993 h2
Mechanical 1:
  the board outline again, w0.254
Mechanical 15:
  text "ON" at 3.27,18.107 h0.8

## Dimensions
63.5,53.34 to 63.5,0 on Mechanical 1
-2.25,48.87 to 68.58,38.1 on Mechanical 1

## Text inside footprints (layer, text, board x,y; h text height)
J1: Mechanical 1 "Routing Tool" at -2.63,30.667 h1 r270